# Altium PCB 遥控器.PcbDoc (part 2 of 3) (continued)
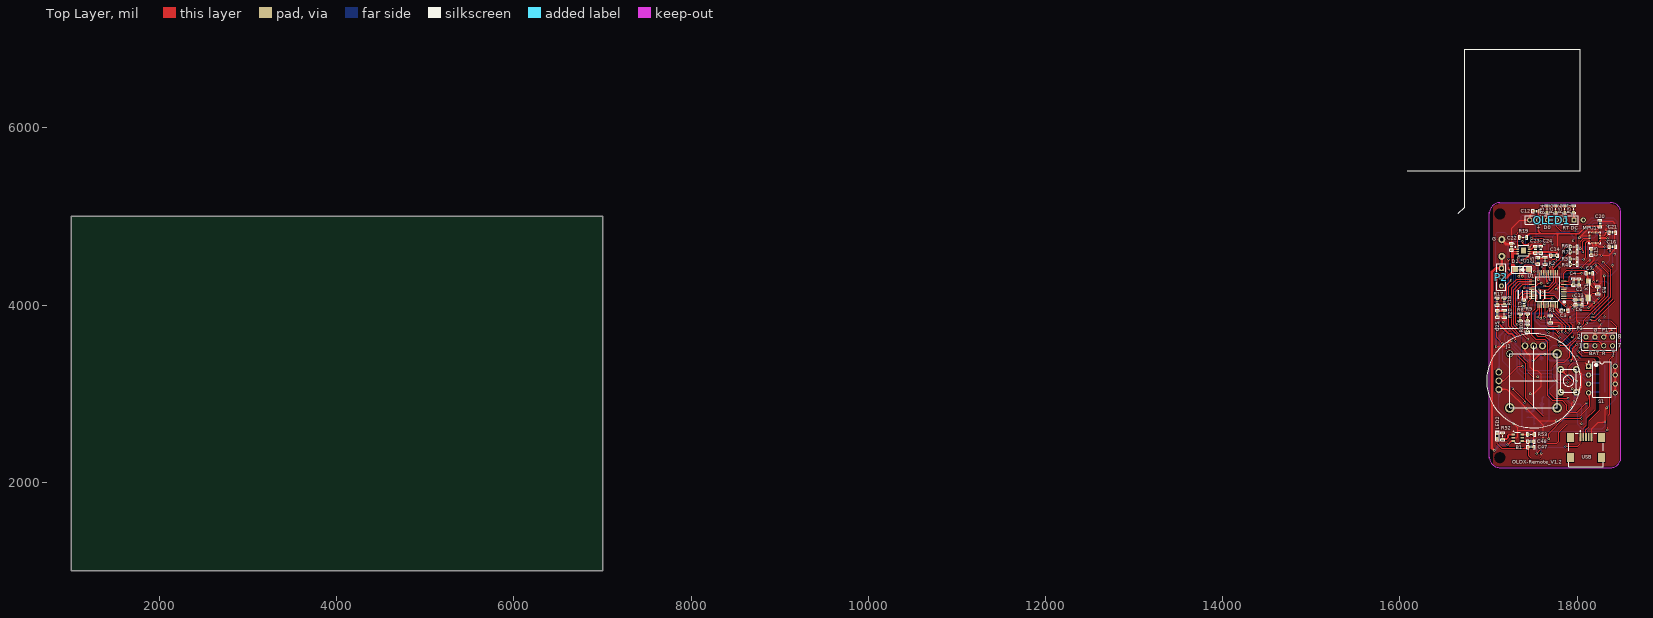
[diagram p0: Top Layer view]
## Nets (pads, with @x,y where several pads share a name; then routed paths per layer and width w, separated by ;. In a path a pad name is that pad's centre, name@x,y a point inside that pad or via, vN(x,y) a via of type N, cw(c..) or ccw(c..) an arc to the next point about the centre after c; other vN are vias at no path point) (continued)
  Bottom Layer w20: v1@17085,3540 17085,3700 17165,3780 v1(17165,3810) ; v1(17260,3595) 17260,3620 17290,3650 17350,3650 17411.57,3588.43 J1.4@17411.57,3538.7 ; J1.4@17397.4,3564.42 ccw(c17384.17,3588.42) 17411.57,3588.42 ccw(c17438.98,3588.42) J1.4@17425.75,3564.42
  other v1: 17285,4688 17722,4690
KEY1: J1.J2 U1.29 | length 4165.9
  Top Layer w10: U1.29@17487.37,4212.5 17532.5,4212.5 17565,4245 v1(17595,4245) ; v1@17589.7,4239.7 ccw(c17576.89,4226.89) 17576.89,4245 ccw(c17576.89,4263.11) v1@17589.7,4250.3 ; J1.J2@17814,3239.54 cw(c17814,3156.56) 17872.67,3215.23 cw(c17931.35,3273.91) J1.J2@17848.37,3273.91 ; J1.J2@17814,3249.54 cw(c17814,3190.7) 17855.6,3232.3 cw(c17897.2,3273.91) J1.J2@17838.37,3273.91 ; J1.J2@17814,3273.91 17945,3142.91 v1(17945,3055) ; v1@17939.7,3060.3 ccw(c17926.89,3073.11) 17945,3073.11 ccw(c17963.11,3073.11) v1@17950.3,3060.3 ; v1@18035,3507.5 cw(c18035,3489.39) 18047.8,3502.2 cw(c18060.61,3515) v1@18042.5,3515 ; v1(18035,3515) 18080,3470 18435,3470 18450,3485 18450,3755 18380,3825 v1(18250,3825) ; v1@18255.3,3819.7 cw(c18268.11,3806.89) 18268.11,3825 cw(c18268.11,3843.11) v1@18255.3,3830.3
  Bottom Layer w10: v1@17589.7,4250.3 ccw(c17576.89,4263.11) 17595,4263.11 ccw(c17613.11,4263.11) v1@17600.3,4250.3 ; v1(17595,4245) 17595,4305 17555,4345 17500,4345 17485,4360 17485,4400 17505,4420 17545,4420 17645,4320 17915,4320 17935,4300 17935,4220 17955,4200 18060,4200 18250,4010 v1(18250,3825) ; J1.J2@17814,3273.91 17908.91,3273.91 18055,3420 18055,3495 v1(18035,3515) ; J1.J2@17823.5,3016 17828.5,3021 17895,3021 ; J1.J2@17831.23,3256.67 cw(c17872.83,3215.07) 17872.83,3273.91 cw(c17872.83,3332.74) J1.J2@17831.23,3291.14 ; J1.J2@17833.07,3033.23 ccw(c17862.6,3062.76) 17862.6,3021 ; J1.J2@17835.27,3001.3 cw(c17874.89,2971.31) 17874.89,3021 ; J1.J2@17838.3,3249.6 cw(c17896.98,3190.93) 17896.98,3273.91 cw(c17896.98,3356.88) J1.J2@17838.3,3298.21 ; J1.J2@17840.14,3040.3 ccw(c17886.74,3086.91) 17886.74,3021 ; J1.J2@17843.24,2995.26 cw(c17895,2956.1) 17895,3021 ; 17875.83,3021 17895,3021 ; v1@17937.5,3055 cw(c17919.39,3055) 17932.2,3042.2 cw(c17945,3029.39) v1@17945,3047.5 ; v1(17945,3055) 17911,3021 17895,3021 ; v1@18035,3507.5 cw(c18035,3489.39) 18047.8,3502.2 cw(c18060.61,3515) v1@18042.5,3515 ; v1@18244.7,3830.3 ccw(c18231.89,3843.11) 18250,3843.11 ccw(c18268.11,3843.11) v1@18255.3,3830.3
KEY2: R13.1 S1.1 U1.28 | length 2844.7
  Top Layer w10: v1(17325,3780) 17310,3795 17310,4155 17387.19,4232.19 U1.28@17487.37,4232.19 ; v1@17987.5,3140 ccw(c17969.39,3140) 17982.2,3152.8 ccw(c17995,3165.61) v1@17995,3147.5 ; v1(17995,3140) 17910,3225 17910,3310 17950,3350 18090,3350 ; S1.1@18105.49,3310.81 ccw(c18052.55,3312.55) 18090,3350 ; S1.1@18115.48,3310.48 ccw(c18084.13,3311.51) 18106.31,3333.69 ccw(c18128.49,3355.87) S1.1@18129.52,3324.52 ; S1.1@18129.19,3334.51 cw(c18127.45,3387.45) 18090,3350 ; S1.1@18130,3310 18090,3350
  Bottom Layer w10: v1@17319.7,3774.7 ccw(c17306.89,3761.89) 17306.89,3780 ccw(c17306.89,3798.11) v1@17319.7,3785.3 ; v1(17325,3780) 17305,3780 17185,3660 17185,3598.51 17325,3458.51 17325,3245 17430,3140 17720,3140 17740,3160 17980,3160 v1@17995,3145 ; 17978.66,3161.34 cw(c17957.32,3140) v1@17987.5,3140
  Bottom Layer w20: S1.1@18130,3310 18140,3320 R13.1@18248.5,3320 ; S1.1@18143.81,3296.19 cw(c18201.29,3238.71) 18201.29,3320
KEY3: R14.1 S1.2 U1.27 | length 2758
  Top Layer w10: 17337.5,4227.5 17355,4245 ; v1@17437.5,3615 ccw(c17419.39,3615) 17432.2,3627.8 ccw(c17445,3640.61) v1@17445,3622.5 ; v1(17445,3615) 17285,3775 17285,4175 17355,4245 ; U1.27@17487.37,4251.87 17361.87,4251.87 17355,4245
  Bottom Layer w10: v1@17437.5,3615 ccw(c17419.39,3615) 17432.2,3627.8 ccw(c17445,3640.61) v1@17445,3622.5 ; v1(17445,3615) 17370,3690 17265,3690 17215,3640 17215,3600 17352.5,3462.5 17352.5,3272.5 17355,3270 17395,3230 17710,3230 17725,3215 18125,3215 S1.2@18130,3210 ; 18058.71,3215 cw(c18058.71,3138.71) S1.2@18112.66,3192.66 ; S1.2@18112.66,3227.34 cw(c18082.86,3257.14) 18082.86,3215 cw(c18082.86,3162.86) S1.2@18119.73,3199.73
  Bottom Layer w20: S1.2@18140,3220 R14.1@18248.5,3220 ; S1.2@18143.81,3196.19 cw(c18201.29,3138.71) 18201.29,3220
KEY4: R15.1 S1.3 U1.26 | length 2518.1
  Top Layer w10: U1.26@17487.37,4271.56 17336.56,4271.56 17260,4195 17260,3760 17360,3660 17360,3580 17360,3440 17395,3405 17400,3400 17447.5,3352.5 17447.5,3242.5 17500,3190 v1(17555,3190) ; v1@17549.7,3184.7 ccw(c17536.89,3171.89) 17536.89,3190 ccw(c17536.89,3208.11) v1@17549.7,3195.3
  Bottom Layer w10: v1(17555,3190) 17805,3190 ; v1@17560.3,3184.7 cw(c17573.11,3171.89) 17573.11,3190 cw(c17573.11,3208.11) v1@17560.3,3195.3 ; 17705,3190 17805,3190 ; S1.3@18105.47,3110 ccw(c18046.26,3110) 18088.13,3151.87 ccw(c18130,3193.74) S1.3@18130,3134.53 ; S1.3@18115.47,3110 ccw(c18080.4,3110) 18105.2,3134.8 ccw(c18130,3159.6) S1.3@18130,3124.53 ; S1.3@18130,3110 18050,3190 17805,3190
  Bottom Layer w20: S1.3@18130,3110 18140,3120 R15.1@18248.5,3120 ; S1.3@18143.81,3096.19 cw(c18201.29,3038.71) 18201.29,3120
KEY5: R16.1 S1.4 U1.25 | length 3004.5
  Top Layer w10: U1.25@17487.37,4291.24 17316.24,4291.24 17230,4205 17230,3760 17335,3655 17335,3420 17417.5,3337.5 17417.5,2947.5 17615,2750 18035,2750 18140,2855 18140,3000 S1.4@18130,3010 ; S1.4@18112.66,2992.66 cw(c18046.64,2926.64) 18140,2926.64 ; S1.4@18119.73,2999.73 cw(c18070.79,2950.79) 18140,2950.79 ; S1.4@18126.8,3006.8 cw(c18094.93,2974.93) 18140,2974.93 cw(c18165.07,2974.93) S1.4@18147.34,2992.66
  Bottom Layer w20: S1.4@18130,3010 18140,3020 R16.1@18248.5,3020 ; S1.4@18143.81,2996.19 cw(c18201.29,2938.71) 18201.29,3020
Net*U1_1: *U1.1 R19.2 | length 165
  Top Layer w8: *U1.1@17327.96,4657.04 ccw(c17323.02,4661.98) 17330,4661.98 ccw(c17336.98,4661.98) *U1.1@17332.04,4657.04 ; *U1.1@17330,4655 17330,4736.5 R19.2@17358.5,4765 ; 17337.16,4743.66 cw(c17358.5,4722.32) R19.2@17358.5,4752.5 ; R19.2@17346.82,4753.32 ccw(c17339.14,4761) R19.2@17350,4761
Net*U1_7: *U1.7 C23.2 | length 109.1
  Top Layer w15: *U1.7@17459,4629.41 17484.41,4629.41 17507.5,4652.5 C23.2@17530.06,4652.5 ; C23.2@17524.76,4647.2 ccw(c17511.96,4634.39) 17511.96,4652.5 ccw(c17511.96,4670.61) C23.2@17524.76,4657.8
NetB1_1: B1.1 R52.1 | length 156
  Top Layer w20: R52.1@17160,2488.5 17203.5,2488.5 17220,2505 17220,2530 17230,2540 B1.1@17280,2540
NetB1_6: B1.6 R53.2 | length 68.5
  Top Layer w20: B1.6@17380,2540 17435,2540 R53.2@17448.5,2540
NetC2_2: C2.2 U1.7 | length 224.7
  Top Layer w10: U1.7@17849.58,4192.82 17980.25,4192.82 C2.2@18019.94,4232.5 ; C2.2@18009.94,4232.5 cw(c17985.79,4232.5) 18002.86,4215.43 cw(c18019.94,4198.36) C2.2@18019.94,4222.5
NetC6_2: C6.2 R3.1 U1.5 X1.1 | length 1050.3
  Top Layer w10: U1.5@17849.58,4153.45 18051.55,4153.45 X1.1@18125,4080 ; C6.2@18047.5,3999.94 18109.94,3999.94 18125,4015 ; C6.2@18054.57,3992.86 cw(c18071.64,3975.79) 18071.64,3999.94 cw(c18071.64,4024.08) C6.2@18054.57,4007.01 ; 18066.33,4138.67 ccw(c18125,4197.35) X1.1@18125,4114.37 ; 18083.4,4121.6 ccw(c18125,4163.2) X1.1@18125,4104.37 ; 18090.09,4114.91 cw(c18065.02,4089.84) X1.1@18100.47,4089.84 ; X1.1@18108.57,4051.94 cw(c18075.25,4015) 18125,4015 ; X1.1@18115.27,4059.37 cw(c18095.53,4037.49) 18125,4037.49 cw(c18154.47,4037.49) X1.1@18134.73,4059.37 ; X1.1@18126.08,4104.33 ccw(c18129.58,4151.56) 18163.07,4118.07 ; X1.1@18126.82,4114.3 ccw(c18131.72,4180.28) 18178.5,4133.5 ; X1.1@18141.43,4051.94 ccw(c18174.75,4015) 18125,4015 ; X1.1@18149.53,4089.84 cw(c18184.98,4089.84) 18159.91,4114.91 ; R3.1@18225.7,4128.2 ccw(c18212.89,4115.39) 18212.89,4133.5 ccw(c18212.89,4151.61) R3.1@18225.7,4138.8 ; R3.1@18235,4133.5 18178.5,4133.5 ; 18125,4015 X1.1@18125,4080 ; X1.1@18125,4080 18178.5,4133.5
NetC7_2: C7.2 R3.2 U1.6 X1.2 | length 1120
  Top Layer w10: U1.6@17849.58,4173.13 18052.13,4173.13 X1.2@18127,4248 ; 18085.02,4206.02 ccw(c18042.88,4248.16) X1.2@18102.47,4248.16 ; 18085.4,4206.4 cw(c18127,4164.8) 18127,4223.63 cw(c18127,4164.8) 18168.6,4206.4 ; X1.2@18102.09,4223.09 ccw(c18077.02,4248.16) X1.2@18112.47,4248.16 ; X1.2@18102.47,4223.47 cw(c18127,4198.94) 18127,4233.63 cw(c18127,4198.94) X1.2@18151.53,4223.47 ; C7.2@18105.43,4352.99 cw(c18088.36,4335.92) 18112.5,4335.92 cw(c18136.64,4335.92) C7.2@18119.57,4352.99 ; 18112.5,4312.8 ccw(c18170.6,4312.8) X1.2@18130.15,4271.09 ; 18112.5,4336.43 ccw(c18193.52,4336.43) X1.2@18137.11,4278.27 ; X1.2@18127,4265 X1.2@18127,4258 ; X1.2@18141.53,4248.16 ccw(c18176.98,4248.16) X1.2@18151.91,4223.09 ; X1.2@18144.08,4285.45 cw(c18216.43,4360.06) C7.2@18112.5,4360.06 18112.5,4272.5 X1.2@18127,4258 ; X1.2@18151.53,4248.16 ccw(c18211.12,4248.16) 18168.98,4206.02 ; R3.2@18225.7,4191.2 ccw(c18212.89,4178.39) 18212.89,4196.5 ccw(c18212.89,4214.61) R3.2@18225.7,4201.8 ; R3.2@18235,4196.5 18178.5,4196.5 X1.2@18127,4248 ; X1.2@18127,4248 X1.2@18127,4258
NetC25_1: C25.1 R17.1 R18.2 R20.2 | length 264.9
  Top Layer w20: C25.1@17103.54,3923.46 cw(c17122.94,3904.07) 17122.94,3931.5 ; R20.2@17180,3931.5 17104.5,3931.5 C25.1@17100,3927 R17.1@17100,4008.5 R18.2@17180,4008.5
NetD1_2: D1.2 DET1.1 | length 278.4
  Bottom Layer w15: D1.2@17516,3440 17576.54,3440 DET1.1@17620,3396.54 ; D1.2@17521.83,3434.17 cw(c17535.91,3420.09) 17535.91,3440 cw(c17535.91,3459.91) D1.2@17521.83,3445.83 ; 17571.54,3444.99 cw(c17531.29,3404.74) DET1.1@17583.59,3382.28 ; 17587.2,3429.34 cw(c17553.19,3395.34) DET1.1@17597.38,3376.36
NetDET1_2: DET1.2 Q1.3 | length 377.5
  Bottom Layer w20: DET1.2@17578.54,2883.3 cw(c17511.61,2816.37) 17606.26,2816.37 ; DET1.2@17592.68,2897.44 cw(c17559.89,2864.65) DET1.2@17606.26,2864.65 ; Q1.3@17600.8,2777.95 ccw(c17587.63,2791.13) 17606.26,2791.13 ccw(c17624.89,2791.13) Q1.3@17611.72,2777.95 ; Q1.3@17606.26,2772.5 17606.26,2949.72 DET1.2@17620,2963.46 ; 17606.26,2846.59 cw(c17658.17,2846.59) DET1.2@17621.46,2883.3
NetLED2_2: LED2.2 R52.2 | length 76.1
  Top Layer w20: LED2.2@17103.6,2543.96 cw(c17121.79,2525.77) 17121.79,2551.5 ; LED2.2@17104.06,2551.5 R52.2@17160,2551.5
NetQ1_2: Q1.2 R21.1 R22.2 | length 365.9
  Bottom Layer w8: R22.2@17430,2733.5 17512.15,2733.5 Q1.2@17513.74,2735.09 17518.5,2730.33 R21.1@17518.5,2645 ; R22.2@17440.01,2727.49 cw(c17454.52,2712.98) 17454.52,2733.5 cw(c17454.52,2754.02) R22.2@17440.01,2739.51 ; 17475.79,2733.5 ccw(c17475.79,2772.06) Q1.2@17503.06,2744.79 ; 17483.49,2733.5 cw(c17483.49,2705.83) Q1.2@17503.06,2725.39 ; Q1.2@17505.03,2725.39 cw(c17472.49,2692.86) 17518.5,2692.86 ; Q1.2@17510.68,2731.05 cw(c17491.81,2712.18) 17518.5,2712.18 ; R21.1@17512.49,2655.01 ccw(c17497.98,2669.52) 17518.5,2669.52 ccw(c17539.02,2669.52) R21.1@17524.51,2655.01 ; 17518.5,2711.09 cw(c17538.72,2711.09) Q1.2@17524.42,2725.39
NetR1_1: R1.1 U1.44 | length 159.6
  Top Layer w10: R1.1@17694.7,3876.8 ccw(c17686.72,3884.78) 17698,3884.78 ; 17698,3894.43 ccw(c17722.93,3894.43) R1.1@17705.3,3876.8 ; U1.44@17698,4001.87 17698,3873.5 R1.1@17700,3871.5
NetR2_2: R2.2 U1.20 | length 133.3
  Top Layer w10: R2.2@17634.7,4463.2 cw(c17624.44,4452.94) 17638.95,4452.94 ; U1.20@17638.95,4364.08 17638.95,4467.45 R2.2@17640,4468.5 ; 17638.95,4447.85 cw(c17660.65,4447.85) R2.2@17645.3,4463.2
NetR8_1: R8.1 USB.2 | length 2345.1
  Top Layer w10: v1@17354.7,3755.3 ccw(c17341.89,3768.11) 17360,3768.11 ccw(c17378.11,3768.11) v1@17365.3,3755.3 ; R8.1@17354.7,3823.2 cw(c17341.89,3810.39) 17360,3810.39 cw(c17378.11,3810.39) R8.1@17365.3,3823.2 ; v1(17360,3750) R8.1@17360,3828.5 ; v1(17680,3690) 17745,3690 v1(17800,3635) ; v1@17685.3,3684.7 cw(c17698.11,3671.89) 17698.11,3690 cw(c17698.11,3708.11) v1@17685.3,3695.3 ; v1@17792.5,3635 ccw(c17774.39,3635) 17787.2,3647.8 ccw(c17800,3660.61) v1@17800,3642.5 ; v1@18005,3417.5 cw(c18005,3399.39) 18017.8,3412.2 cw(c18030.61,3425) v1@18012.5,3425 ; v1(18005,3425) 18035,3395 18185,3395 18205,3375 18205,2820 18105,2720 18105,2645 18068.5,2608.5 USB.2@18068.5,2509.06 ; USB.2@18065.08,2547.91 ccw(c18056.81,2556.18) 18068.5,2556.18 ccw(c18080.19,2556.18) USB.2@18071.93,2547.91
  Bottom Layer w10: v1@17357.5,3750 ccw(c17375.61,3750) 17362.8,3737.2 ; v1@17360,3740 17410,3690 v1(17680,3690) ; v1@17367.5,3750 ccw(c17409.75,3750) 17379.87,3720.13 ; v1@17674.7,3684.7 ccw(c17661.89,3671.89) 17661.89,3690 ccw(c17661.89,3708.11) v1@17674.7,3695.3 ; v1@17800,3627.5 cw(c17800,3573.18) 17838.41,3611.59 ; v1@17800,3630 v1(17800,3635) 17815,3635 17980,3470 17980,3450 v1(18005,3425) ; v1@17800,3637.5 cw(c17800,3607.32) 17821.34,3628.66 ; v1@17997.5,3425 ccw(c17979.39,3425) 17992.2,3437.8 ccw(c18005,3450.61) v1@18005,3432.5
NetR9_1: R9.1 R10.2 USB.3 | length 2448.2
  Top Layer w10: R10.2@17434.7,3776.8 ccw(c17421.89,3789.61) 17440,3789.61 ccw(c17458.11,3789.61) R10.2@17445.3,3776.8 ; v1@17434.7,3789.7 cw(c17421.89,3776.89) 17440,3776.89 cw(c17458.11,3776.89) v1@17445.3,3789.7 ; v1@17434.7,3800.3 ccw(c17421.89,3813.11) 17440,3813.11 ccw(c17458.11,3813.11) v1@17445.3,3800.3 ; R9.1@17434.7,3823.2 cw(c17421.89,3810.39) 17440,3810.39 cw(c17458.11,3810.39) R9.1@17445.3,3823.2 ; R10.2@17440,3771.5 R9.1@17440,3828.5 ; v1(17660,3725) 17755,3725 v1(17790,3690) ; v1@17665.3,3719.7 cw(c17678.11,3706.89) 17678.11,3725 cw(c17678.11,3743.11) v1@17665.3,3730.3 ; v1@17782.5,3690 ccw(c17764.39,3690) 17777.2,3702.8 ccw(c17790,3715.61) v1@17790,3697.5 ; v1@18015,3467.5 cw(c18015,3449.39) 18027.8,3462.2 cw(c18040.61,3475) v1@18022.5,3475 ; v1(18015,3475) 18060,3430 18225,3430 18260,3395 18260,2895 ; USB.3@18096.57,2547.91 ccw(c18088.31,2556.18) 18100,2556.18 ccw(c18111.69,2556.18) USB.3@18103.42,2547.91 ; USB.3@18100,2509.06 18100,2590 18135,2625 18135,2695 18260,2820 18260,2895 ; 18260,2836.85 18260,2895
  Bottom Layer w10: v1@17440,3787.5 cw(c17440,3769.39) 17452.8,3782.2 cw(c17465.61,3795) v1@17447.5,3795 ; v1(17440,3795) 17510,3725 17595,3725 ; 17550,3725 17595,3725 ; v1@17654.7,3719.7 ccw(c17641.89,3706.89) 17641.89,3725 ccw(c17641.89,3743.11) v1@17654.7,3730.3 ; v1(17660,3725) 17595,3725 ; v1@17790,3682.5 cw(c17790,3640.25) 17819.87,3670.13 ; v1(17790,3690) 17800,3690 v1(18015,3475) ; v1@17790,3692.5 cw(c17790,3674.39) 17802.8,3687.2 ; v1@18007.5,3475 ccw(c17989.39,3475) 18002.2,3487.8 ccw(c18015,3500.61) v1@18015,3482.5
NRF_CE: NRF1.2 U1.13 | length 398
  Top Layer w10: v1(17610,4145) 17685,4145 17776.74,4236.74 U1.13@17776.74,4364.08 ; v1@17615.3,4139.7 cw(c17628.11,4126.89) 17628.11,4145 cw(c17628.11,4163.11) v1@17615.3,4150.3
  Bottom Layer w10: NRF1.2@17604.7,4139.7 cw(c17591.89,4126.89) 17610,4126.89 cw(c17628.11,4126.89) NRF1.2@17615.3,4139.7 ; NRF1.2@17610,4125 NRF1.2@17610,4134
NRF_IRQ: NRF1.7 U1.18 | length 1094.4
  Top Layer w8: v1(17340,4325) 17360,4345 17360,4400 17415,4455 17495,4455 17515,4435 v1(17515,4380) ; v1@17340,4333.5 ccw(c17340,4354.02) 17354.51,4339.51 ccw(c17369.02,4325) v1@17348.5,4325 ; v1@17508.99,4386.01 ccw(c17494.48,4400.52) 17515,4400.52 ccw(c17535.52,4400.52) v1@17521.01,4386.01 ; U1.18@17678.32,4364.08 17678.32,4301.68 v1(17695,4285) ; v1@17686.5,4285 ccw(c17665.98,4285) 17680.49,4299.51 ccw(c17695,4314.02) v1@17695,4293.5
  Bottom Layer w8: v1@17340,4316.5 cw(c17340,4295.98) 17354.51,4310.49 cw(c17369.02,4325) v1@17348.5,4325 ; v1(17340,4325) 17360,4305 NRF1.7@17360,4114 ; NRF1.7@17350.3,4153.23 ccw(c17326.89,4176.64) 17360,4176.64 ccw(c17393.11,4176.64) NRF1.7@17369.7,4153.23 ; v1(17515,4380) 17555,4380 17650,4285 v1(17695,4285) ; v1@17521.01,4373.99 cw(c17535.52,4359.48) 17535.52,4380 cw(c17535.52,4400.52) v1@17521.01,4386.01 ; v1@17688.99,4278.99 ccw(c17674.48,4264.48) 17674.48,4285 ccw(c17674.48,4305.52) v1@17688.99,4291.01
PWM1: P1.6 U1.46 | length 1269.6
  Top Layer w10: U1.46@17737.37,4001.87 17737.37,3937.63 17915,3760 v1(17915,3715) ; v1@17909.7,3720.3 ccw(c17896.89,3733.11) 17915,3733.11 ccw(c17933.11,3733.11) v1@17920.3,3720.3 ; P1.6@18300,3640 18380,3720 v1(18395,3720) ; P1.6@18300,3654.53 ccw(c18300,3689.6) 18324.8,3664.8 ccw(c18349.6,3640) P1.6@18314.53,3640 ; P1.6@18300,3664.53 ccw(c18300,3723.74) 18341.87,3681.87 ccw(c18383.74,3640) P1.6@18324.53,3640 ; 18356.59,3696.59 cw(c18395,3658.18) v1@18395,3712.5 ; 18373.66,3713.66 cw(c18395,3692.32) v1@18395,3722.5
  Bottom Layer w10: v1(17915,3715) 18390,3715 v1(18395,3720) ; v1@17920.3,3709.7 cw(c17933.11,3696.89) 17933.11,3715 cw(c17933.11,3733.11) v1@17920.3,3720.3 ; 18364.82,3715 ccw(c18364.82,3750.18) v1@18389.7,3725.3
PWM2: P1.8 U1.45 | length 1130.7
  Top Layer w10: U1.45@17717.69,4001.87 17717.69,3917.31 17870,3765 v1(17870,3690) ; v1@17864.7,3695.3 ccw(c17851.89,3708.11) 17870,3708.11 ccw(c17888.11,3708.11) v1@17875.3,3695.3
  Bottom Layer w10: v1(17870,3690) 18350,3690 P1.8@18400,3640 ; v1@17875.3,3684.7 cw(c17888.11,3671.89) 17888.11,3690 cw(c17888.11,3708.11) v1@17875.3,3695.3 ; P1.8@18375.47,3640 ccw(c18316.26,3640) 18358.13,3681.87 ccw(c18400,3723.74) P1.8@18400,3664.53 ; P1.8@18385.47,3640 ccw(c18350.4,3640) 18375.2,3664.8 ccw(c18400,3689.6) P1.8@18400,3654.53
REG: C21.2 MPU1.10 | length 176.8
  Top Layer w8: MPU1.10@18259.06,4767.87 18320.31,4767.87 C21.2@18372.5,4820.06 ; C21.2@18361.5,4820.06 cw(c18334.94,4820.06) 18353.72,4801.29 cw(c18372.5,4782.51) C21.2@18372.5,4809.06
RST: OLED1.2 R56.1 U1.40 | length 2934.4
  Top Layer w10: v1@17329.7,4529.7 cw(c17316.89,4516.89) 17335,4516.89 cw(c17353.11,4516.89) v1@17340.3,4529.7 ; v1(17335,4535) 17335,4495 17355,4475 v1(17385,4475) ; v1@17379.7,4469.7 ccw(c17366.89,4456.89) 17366.89,4475 ccw(c17366.89,4493.11) v1@17379.7,4480.3 ; U1.40@17619.26,4001.87 17619.26,4059.26 17635,4075 v1(17720,4075) ; v1@17714.7,4069.7 ccw(c17701.89,4056.89) 17701.89,4075 ccw(c17701.89,4093.11) v1@17714.7,4080.3 ; OLED1.2@17847.66,4977.34 ccw(c17817.86,5007.14) 17860,5007.14 ccw(c17912.14,5007.14) OLED1.2@17875.27,4970.27 ; R56.1@17854.7,5043.2 cw(c17841.89,5030.39) 17860,5030.39 cw(c17878.11,5030.39) R56.1@17865.3,5043.2 ; OLED1.2@17860,4965 R56.1@17860,5048.5 ; 17860,5031.29 ccw(c17936.29,5031.29) OLED1.2@17882.34,4977.34
  Bottom Layer w10: v1@17329.7,4540.3 ccw(c17316.89,4553.11) 17335,4553.11 ccw(c17353.11,4553.11) v1@17340.3,4540.3 ; v1(17335,4535) 17335,4635 17375,4675 17400,4675 17420,4695 17420,4760 17370,4810 17370,5000 17385,5015 17810,5015 OLED1.2@17865,4960 ; 17363.66,4458.66 cw(c17385,4437.32) v1@17385,4467.5 ; v1(17385,4475) 17385,4480 17341.62,4436.62 17301.62,4436.62 17285,4420 17285,4206.5 17268.5,4190 17268.5,4011.5 17295,3985 17405,3985 17425,4005 17650,4005 v1(17720,4075) v1@17715,4070 ; v1@17712.5,4075 cw(c17694.39,4075) 17707.2,4062.2 cw(c17720,4049.39) v1@17720,4067.5 ; OLED1.2@17840.47,4960 ccw(c17781.26,4960) 17823.13,5001.87 ccw(c17865,5043.74) OLED1.2@17865,4984.53 ; OLED1.2@17850.47,4960 ccw(c17815.4,4960) 17840.2,4984.8 ccw(c17865,5009.6) OLED1.2@17865,4974.53
SPI3_CK: MPU1.23 NRF1.4 R7.2 SD_OLED1.5 U1.15 | length 1485.7
  Top Layer w8: v1(17630,4215) 17685,4215 17737.37,4267.37 U1.15@17737.37,4364.08 17737.37,4412.37 17925,4600 v1(17928.5,4600) ; v1@17636.01,4208.99 cw(c17650.52,4194.48) 17650.52,4215 cw(c17650.52,4235.52) v1@17636.01,4221.01 ; 17901.19,4576.19 cw(c17928.5,4548.87) R7.2@17928.5,4587.5 ; 17908.01,4583.01 cw(c17928.5,4562.53) R7.2@17928.5,4591.5 ; 17914.84,4589.84 cw(c17928.5,4576.19) R7.2@17928.5,4595.5 ; R7.2@17916.46,4591.46 ccw(c17907.93,4600) R7.2@17920,4600 ; v1@18058.99,4606.01 ccw(c18044.48,4620.52) 18065,4620.52 ccw(c18085.52,4620.52) v1@18071.01,4606.01 ; v1(18065,4600) 18065,4715 18086.38,4736.38 MPU1.23@18140.94,4736.38
  Bottom Layer w8: NRF1.4@17500.3,4153.23 ccw(c17476.89,4176.64) 17510,4176.64 ccw(c17543.11,4176.64) NRF1.4@17519.7,4153.23 ; NRF1.4@17510,4134 17510,4180 17535,4205 17615,4205 17625,4215 v1(17630,4215)
  Bottom Layer w10: SD_OLED1.5@17856.18,4589.65 17918.15,4589.65 v1(17928.5,4600) v1(18065,4600) ; SD_OLED1.5@17880.11,4583.44 cw(c17895.09,4568.45) 17895.09,4589.65 cw(c17895.09,4610.84) SD_OLED1.5@17880.11,4595.85 ; SD_OLED1.5@17885.4,4589.65 ccw(c17885.4,4643.1) v1@17923.2,4605.3 ; 17909.54,4589.65 ccw(c17909.54,4618.96) v1@17930.27,4598.23 ; v1@17933.8,4594.7 cw(c17946.61,4581.89) 17946.61,4600 cw(c17946.61,4618.11) v1@17933.8,4605.3 ; v1@18059.7,4594.7 ccw(c18046.89,4581.89) 18046.89,4600 ccw(c18046.89,4618.11) v1@18059.7,4605.3
SPI3_SI: MPU1.24 NRF1.5 R5.2 SD_OLED1.3 U1.17 | length 1710.9
  Top Layer w8: v1@17683.99,4428.99 cw(c17650.16,4395.16) U1.17@17698,4395.16 ; v1@17683.99,4441.01 ccw(c17669.48,4455.52) 17690,4455.52 ccw(c17710.52,4455.52) v1@17696.01,4441.01 ; v1@17689.65,4434.65 cw(c17669.48,4414.48) 17698,4414.48 ; v1(17690,4435) 17690,4480 17725,4515 v1(17760,4515) ; U1.17@17698,4364.08 v1@17698,4427 ; v1@17753.99,4508.99 ccw(c17739.48,4494.48) 17739.48,4515 ccw(c17739.48,4535.52) v1@17753.99,4521.01 ; v1(18075,4515) 18100,4540 18100,4705.63 18115,4720.63 MPU1.24@18140.94,4720.63 ; v1@18075,4523.5 ccw(c18075,4544.02) 18089.51,4529.51 ccw(c18104.02,4515) v1@18083.5,4515
  Bottom Layer w8: NRF1.5@17450.3,4153.23 ccw(c17426.89,4176.64) 17460,4176.64 ccw(c17493.11,4176.64) NRF1.5@17469.7,4153.23 ; NRF1.5@17460,4134 17460,4150 17460,4410 17510,4460 17660,4460 v1@17685,4435 ; 17666.95,4453.05 ccw(c17690,4476.09) v1@17690,4443.5 ; v1(17760,4515) 17771.97,4503.03 SD_OLED1.3@17856.18,4503.03 SD_OLED1.3@17865,4503.03 ; SD_OLED1.3@17831.55,4496.12 ccw(c17814.85,4479.42) 17814.85,4503.03 ccw(c17814.85,4526.64) SD_OLED1.3@17831.55,4509.95 ; v1(17920,4520) 17925,4515 v1(18075,4515) ; v1@17920.35,4520.35 ccw(c17933.28,4533.28) 17933.28,4515 ; v1@17926.01,4526.01 ccw(c17952.59,4552.59) 17952.59,4515 ; v1@18068.99,4508.99 ccw(c18054.48,4494.48) 18054.48,4515 ccw(c18054.48,4535.52) v1@18068.99,4521.01
  Bottom Layer w10: SD_OLED1.3@17865,4503.03 17903.03,4503.03 v1(17920,4520) ; SD_OLED1.3@17880.11,4496.82 cw(c17895.09,4481.84) 17895.09,4503.03 cw(c17895.09,4524.23) SD_OLED1.3@17880.11,4509.24 ; v1@17912.5,4520 cw(c17894.39,4520) 17907.2,4507.2 cw(c17920,4494.39) v1@17920,4512.5